# Allegro board 6089-103-RevA_73.brd (continued)
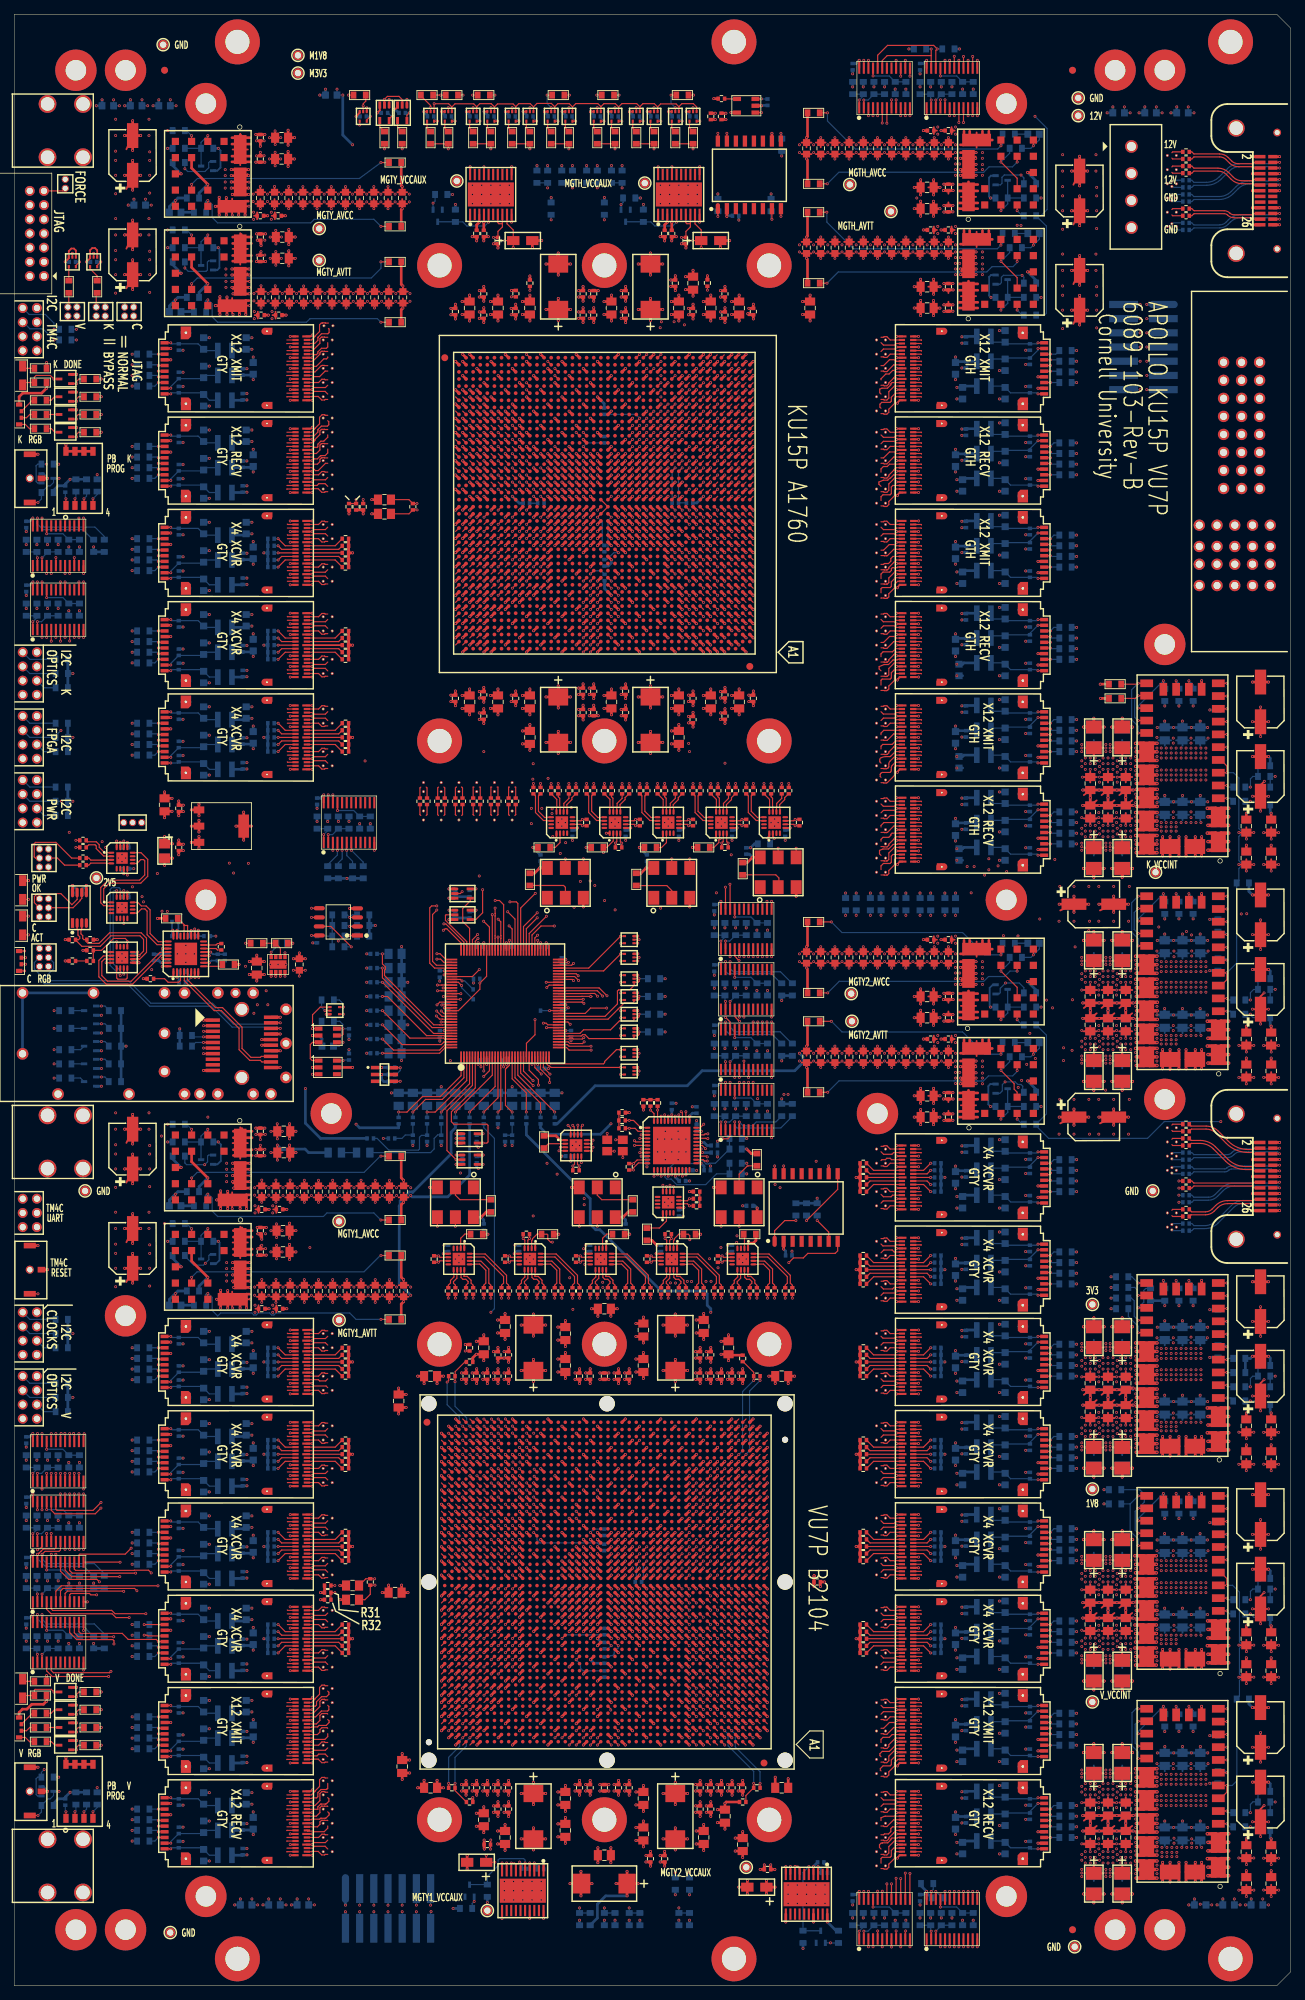
[diagram p0: board, top side]
## Routing (per net, layer and track width the routed paths; a pad name or vN(x,y) marks a point on that pad's centre or on a via; arc(x,y) is an arc through that point) (continued)
NKV_SPARE1: length 134
  TOP w0.165: v1(68.24,76.86) 68.25,76.86 U66.BC38 ; U65.A23 v1(81.23,187.93)
  SIG3 w0.083: v1(68.24,76.86) 68.24,76.68 68.05,76.49 62.18,76.49 arc(62.13,76.5) 62.09,76.53 61.99,76.63 arc(61.85,76.84) 61.8,77.08 61.8,79.69 arc(61.87,80) 62.04,80.27 63.34,81.57 arc(64.02,82.58) 64.26,83.77 64.26,84.88 arc(64.22,85.08) 64.11,85.25 64.04,85.31 arc(64.02,85.34) 64.02,85.38 64.02,86.32 arc(64.04,86.45) 64.11,86.56 64.14,86.59 arc(64.24,86.74) 64.28,86.93 64.28,120.05 arc(64.23,120.3) 64.09,120.51 64.04,120.57 arc(63.88,120.8) 63.83,121.07 63.83,171.25 64.84,172.27 64.84,182.41 69.7,187.26 80.45,187.26 80.83,187.64 80.83,187.84 80.91,187.93 v1(81.23,187.93)
NKV_SPARE2: length 151.3
  TOP w0.165: U66.AY36 v1(70.31,73.8) ; U65.B24 v1(80.23,188.93)
  SIG3 w0.083: v1(80.23,188.93) 80.23,189.22 80.14,189.3 80.03,189.3 80.03,189.3 63.11,189.3 62.88,189.07 62.88,185.29 61.03,183.44 61.03,178.84 62.58,177.29 62.58,173.37 59.34,170.13 59.34,162.73 58.9,162.28 58.9,124.11 arc(58.9,124.03) 58.93,123.96 arc(59.02,123.77) 59.13,123.59 arc(59.45,122.97) 59.56,122.29 59.56,110.46 arc(59.32,109.25) 58.63,108.23 57.44,107.03 arc(56.96,106.32) 56.79,105.48 56.79,86.49 arc(56.76,86.31) 56.66,86.17 56.58,86.08 arc(56.55,86.04) 56.54,85.99 56.54,85.79 arc(56.54,85.76) 56.56,85.73 56.68,85.62 arc(56.78,85.47) 56.81,85.29 56.81,77.21 arc(56.91,76.75) 57.17,76.36 59.76,73.77 arc(60.12,73.52) 60.56,73.44 70,73.44 70,73.44 70.48,73.44 70.48,73.44 70.61,73.44 70.67,73.5 arc(70.69,73.52) 70.69,73.56 70.69,73.73 70.62,73.8 v1(70.31,73.8)
NKV_SPARE3: length 133.1
  TOP w0.165: U66.BD39 v1(67.25,77.85) ; U65.C21 v1(84.17,189.93)
  SIG3 w0.083: v1(67.25,77.85) 67.25,77.7 67.02,77.46 64.26,77.46 arc(64.14,77.49) 64.04,77.56 arc(63.89,77.79) 63.83,78.07 63.83,79.85 arc(63.91,80.23) 64.12,80.56 65.18,81.62 arc(65.61,82.25) 65.76,83 65.76,84.97 arc(65.75,85.01) 65.74,85.05 arc(65.72,85.1) 65.69,85.16 65.59,85.5 65.59,86.36 65.66,86.61 65.67,86.62 arc(65.73,86.71) 65.76,86.82 65.76,107.06 arc(65.75,107.14) 65.73,107.22 65.46,107.95 arc(65.35,108.21) 65.2,108.45 arc(64.97,108.95) 64.88,109.5 64.88,140.54 arc(64.86,140.66) 64.79,140.76 64.4,141.15 64.4,170.56 66.76,172.91 66.76,182.14 70.87,186.26 81.38,186.26 83.3,188.19 83.3,189.84 83.39,189.93 v1(84.17,189.93)
NKV_SPARE4: length 163
  TOP w0.165: U65.D23 v1(81.23,190.93) ; U66.AW33 v1(73.31,72.79)
  SIG3 w0.083: v1(73.31,72.79) 73.31,72.56 73.41,72.46 73.68,72.46 arc(73.86,72.42) 74.01,72.32 74.11,72.22 74.11,71.72 arc(74.08,71.53) 73.97,71.37 73.86,71.26 60.6,71.26 arc(59.75,71.42) 59.04,71.9 55.11,75.83 arc(54.72,76.41) 54.58,77.1 54.58,84.04 arc(54.53,84.58) 54.38,85.11 arc(54.33,85.23) 54.29,85.36 arc(54.28,85.43) 54.27,85.5 54.27,106.09 arc(54.54,107.44) 55.31,108.59 arc(55.31,108.59) 55.32,108.6 55.91,109.19 arc(56.4,109.92) 56.57,110.78 56.57,187.19 60.9,191.52 80.52,191.52 80.83,191.21 80.83,191.01 80.91,190.93 v1(81.23,190.93)
NKV_SPARE5: length 159.1
  TOP w0.165: U66.AW36 v1(70.24,72.86) ; U65.E21 v1(84.17,191.93)
  SIG3 w0.083: v1(84.17,191.93) 83.39,191.93 83.3,191.84 83.3,191.64 82.96,191.3 81.94,191.3 81.81,191.17 81.81,190.5 81.6,190.3 61.33,190.3 57.85,186.81 57.85,174.52 58.71,173.66 58.71,163.38 57.65,162.32 57.65,110.17 arc(57.39,108.9) 56.67,107.82 56.48,107.63 arc(55.74,106.52) 55.48,105.22 55.48,97.07 arc(55.52,96.9) 55.62,96.75 55.75,96.61 arc(55.89,96.4) 55.94,96.15 55.94,77.2 arc(56.06,76.6) 56.4,76.09 59.71,72.78 arc(60.07,72.53) 60.5,72.45 70.4,72.45 arc(70.5,72.47) 70.58,72.52 70.62,72.56 arc(70.64,72.59) 70.65,72.62 70.65,72.84 70.57,72.92 70.29,72.92 v1(70.24,72.86)
NKV_SPARE6: length 144.4
  TOP w0.165: v1(70.23,78.87) 70.23,78.86 U66.BE36 ; U65.J22 v1(82.23,195.93)
  SIG3 w0.083: v1(82.23,195.93) 82.23,196.22 82.37,196.36 82.96,196.36 83.33,196.73 83.33,197.74 83.93,198.35 86.66,198.35 88.59,196.41 88.59,177.65 83.81,172.87 72.87,172.87 71.82,171.82 71.82,123.55 71.62,123.35 71.62,107.97 arc(71.8,107.08) 72.3,106.33 73.77,104.86 73.83,104.8 arc(74.04,104.49) 74.11,104.12 74.11,84.22 arc(74.05,83.94) 73.89,83.7 71.17,80.98 arc(70.78,80.4) 70.65,79.71 70.65,78.64 arc(70.64,78.61) 70.62,78.58 70.59,78.55 arc(70.56,78.53) 70.53,78.53 70.39,78.53 70.31,78.61 70.31,78.8 v1(70.23,78.87)
NKV_SPARE7: length 134
  TOP w0.165: U65.F20 v1(85.17,192.93) ; U66.BE40 66.29,78.79 66.29,78.81 v1(66.24,78.85)
  SIG3 w0.083: v1(66.24,78.85) 65.84,78.45 64.96,78.45 arc(64.9,78.48) 64.87,78.54 64.87,79.96 arc(64.88,80) 64.88,80.04 arc(64.99,80.33) 65.17,80.57 67.02,82.41 arc(67.07,82.48) 67.11,82.56 67.18,82.78 arc(67.2,82.84) 67.21,82.9 arc(67.22,82.98) 67.22,83.06 67.22,84.61 67.26,84.64 67.26,85.27 67.22,85.31 67.22,86.49 67.26,86.53 67.26,87.36 arc(67.21,87.6) 67.08,87.8 66.93,87.94 arc(66.82,88.11) 66.78,88.31 66.78,97.92 arc(66.74,98.15) 66.61,98.34 66.53,98.42 arc(66.41,98.59) 66.37,98.8 66.37,113.28 arc(66.45,113.66) 66.66,113.97 66.93,114.24 arc(67.1,114.49) 67.16,114.79 67.16,130.02 67.12,130.1 66.95,130.27 66.88,130.39 66.84,130.59 66.83,130.7 66.83,171.01 66.89,171.16 67.85,172.12 67.85,181.45 71.43,185.03 84.11,185.03 84.78,185.7 84.78,192.84 84.86,192.93 v1(85.17,192.93)
NKV_SPARE8: length 164
  TOP w0.165: U66.AT34 v1(72.25,69.86) ; U65.E23 v1(81.23,191.93)
  SIG3 w0.083: v1(72.25,69.86) 72.55,69.86 72.64,69.78 72.64,69.58 arc(72.63,69.55) 72.61,69.52 72.61,69.52 arc(72.52,69.46) 72.41,69.43 62.09,69.43 arc(62.05,69.44) 62.01,69.47 61.95,69.54 arc(61.92,69.59) 61.9,69.64 61.89,69.74 arc(61.81,70.03) 61.64,70.28 61.56,70.36 arc(61.41,70.46) 61.24,70.49 60.2,70.49 arc(59.56,70.62) 59.03,70.97 53.98,76.02 arc(53.61,76.57) 53.48,77.22 53.48,107.52 arc(53.6,108.1) 53.93,108.59 54.05,108.72 arc(54.4,109.24) 54.52,109.86 54.52,119.53 53.85,120.2 53.85,122.93 53.83,122.96 53.83,123.26 53.85,123.29 53.85,185.34 60.82,192.3 80.74,192.3 80.74,192.29 80.86,192.29 v1(81.23,191.93)
NKV_SPARE9: length 137.3
  TOP w0.165: v1(66.23,79.86) 66.29,79.86 66.29,79.8 U66.BF40 ; U65.H20 v1(85.17,194.93)
  SIG3 w0.083: v1(85.17,194.93) 84.86,194.93 84.78,194.84 84.78,194.73 84.95,194.55 85.5,194.55 85.8,194.25 85.8,185.45 84.36,184 71.4,184 68.99,181.59 68.99,130.31 arc(68.96,130.14) 68.86,130 68.73,129.87 arc(68.64,129.74) 68.61,129.58 68.61,129.12 arc(68.63,129.01) 68.69,128.92 68.69,128.91 arc(68.81,128.74) 68.85,128.53 68.85,100.18 68.85,100.17 arc(68.68,99.52) 68.29,98.96 68.2,98.87 arc(67.9,98.43) 67.8,97.9 67.8,93.6 arc(67.83,93.45) 67.91,93.33 69.93,91.31 arc(70.23,90.86) 70.34,90.32 70.34,84.44 arc(70.26,84.03) 70.03,83.69 68.01,81.66 arc(67.73,81.48) 67.4,81.42 67.25,81.42 arc(67.19,81.4) 67.13,81.36 65.91,80.14 arc(65.88,80.1) 65.87,80.06 65.87,79.86 arc(65.91,79.68) 66.01,79.54 66.06,79.49 arc(66.09,79.46) 66.14,79.45 66.47,79.45 arc(66.51,79.46) 66.55,79.49 66.62,79.56 arc(66.64,79.59) 66.65,79.63 66.65,79.77 66.57,79.86 v1(66.23,79.86)
NKV_SPARE10: length 148.4
  TOP w0.165: v1(72.25,77.87) 72.24,77.87 U66.BD34 ; U65.L23 v1(81.23,197.93)
  SIG3 w0.083: v1(81.23,197.93) 80.91,197.93 80.83,197.84 80.83,197.73 80.98,197.58 82.37,197.58 82.57,197.78 82.57,198.32 83.78,199.53 87.37,199.53 89.79,197.11 89.79,183.74 89.35,183.29 89.35,183.01 89.35,183 89.35,177.15 83.04,170.83 73.24,170.83 72.54,170.13 72.54,123.59 72.78,123.35 72.78,108.15 arc(72.97,107.19) 73.51,106.39 75.08,104.82 arc(75.45,104.26) 75.58,103.59 75.58,84.95 arc(75.39,83.97) 74.84,83.14 72.23,80.54 arc(71.99,80.22) 71.85,79.84 arc(71.84,79.8) 71.84,79.76 71.84,77.72 arc(71.86,77.66) 71.92,77.64 72.08,77.64 72.25,77.81 v1(72.25,77.87)
NKV_SPARE11: length 135.2
  TOP w0.165: U66.BF38 v1(68.23,79.87) ; U65.J20 v1(85.17,195.93)
  SIG3 w0.083: v1(85.17,195.93) 85.17,196.24 85.26,196.32 85.68,196.32 86.56,195.44 86.56,184.98 84.95,183.37 83.56,183.37 82.35,182.15 82.35,179.74 82.11,179.51 82.1,179.51 81.78,179.18 81.78,179.17 80.62,178.02 73.82,178.02 69.2,173.4 69.2,163.26 70.57,161.89 70.57,107.18 arc(70.43,106.48) 70.03,105.88 69.84,105.69 arc(69.39,105.01) 69.23,104.21 69.23,98.73 arc(69.35,98.1) 69.71,97.56 71.29,95.98 arc(71.68,95.4) 71.82,94.71 71.82,86.56 71.81,86.54 71.81,84.83 arc(71.67,84.15) 71.29,83.57 69.29,81.57 arc(68.8,80.85) 68.64,80 68.64,79.67 arc(68.63,79.63) 68.6,79.58 68.48,79.47 arc(68.45,79.45) 68.41,79.44 68.28,79.44 68.22,79.5 68.22,79.86 v1(68.23,79.87)
NKV_SPARE12: length 137.8
  TOP w0.165: U66.BF37 v1(69.25,79.87) ; U65.K21 v1(84.17,196.93)
  SIG3 w0.083: v1(69.25,79.87) 69.25,79.55 69.33,79.47 69.57,79.47 arc(69.6,79.47) 69.62,79.49 69.66,79.52 arc(69.68,79.55) 69.68,79.58 69.68,80.12 arc(69.78,80.6) 70.05,81.01 72.08,83.04 arc(72.49,83.66) 72.64,84.38 72.64,97.13 arc(72.57,97.49) 72.36,97.81 71.76,98.4 arc(71.32,99.06) 71.17,99.84 71.17,173.37 74.23,176.43 76.53,176.43 76.56,176.4 79.94,176.4 81.32,177.78 86.33,177.78 87.07,178.52 87.07,184.06 87.58,184.57 87.58,196.32 86.58,197.32 84.26,197.32 84.17,197.24 v1(84.17,196.93)
NSYNTH_CLK0: length 12.9
  TOP w0.165: U83.4 91.95,104.54 91.99,104.58 91.99,105.05 v1(91.75,105.29) R132.2 ; U81.19 v1(93.7,114.27)
  SIG1 w0.083: v1(91.75,105.29) 92.01,105.29 92.1,105.37 92.1,108.61 93.83,110.34 93.83,114.14 v1(93.7,114.27)
NSYNTH_CLK1: length 42.1
  TOP w0.165: U81.24 97.14,116.4 97.32,116.22 v1(97.7,116.22) ; U56.4 71.95,104.54 71.99,104.58 71.99,105.05 v1(71.75,105.29) R100.2
  SIG1 w0.083: v1(97.7,116.22) 97.7,116.28 98.02,116.59 98.02,116.59 98.05,116.61 98.37,116.61 98.6,116.38 98.6,115.3 97.89,114.59 97.89,109.84 92.05,104 87.77,104 85.31,106.47 72.71,106.47 72.1,105.85 72.1,105.37 72.01,105.29 v1(71.75,105.29)
NSYNTH_CLK2: length 46.7
  TOP w0.165: U87.4 100.45,161.21 v1(100.65,161.01) R143.2 ; v1(97.78,119.37) 97.55,119.37 97.51,119.42 96.14,119.42 U81.30
  SIG1 w0.083: v1(100.65,161.01) 100.39,161.01 100.3,160.93 100.3,159.29 98.18,157.17 98.18,119.81 97.78,119.41 v1(97.78,119.37)
NSYNTH_CLK3: length 45.5
  TOP w0.165: v1(94.69,123.16) 94.69,121.83 U81.35 ; R117.2 v1(85.65,161.01) 85.45,161.21 U68.4
  SIG1 w0.083: v1(85.65,161.01) 85.39,161.01 85.3,160.93 85.3,154.44 94.47,145.27 94.47,123.39 v1(94.69,123.16)
NTTCIN: length 20
  TOP w0.165: U14.4 23.95,142.16 23.99,142.12 23.99,141.61 28.2,137.4 29.2,137.4 31.7,134.9 31.7,131.9 33.2,130.4 34.7,130.4 34.93,130.17 U13.12
NTTCIN_CLK: length 9.3
  TOP w0.165: U11.12 17.42,152.65 17.92,152.15 18.6,152.15 19.16,151.59 19.16,148.26 20.31,147.11 20.92,147.11 20.96,147.15 U14.25
NTTCIN_CLK1: length 14.5
  TOP w0.165: U11.16 v1(14.45,154.3) ; U12.7 v1(15.45,142.54)
  BOTTOM w0.165: v1(14.45,154.3) 14.11,154.3 13.95,154.13 13.95,144.04 v1(15.45,142.54)
NTTCIN_CLK2: length 14.8
  TOP w0.165: U10.9 16.72,158.13 17.3,158.13 17.85,158.68 18.24,158.68 18.41,158.52 18.41,156.51 17.68,155.78 13.23,155.78 12.2,154.76 12.2,152.6 12.61,152.19 13.02,152.19 13.06,152.15 U11.2
NTTCIN_DAT: length 14.9
  TOP w0.165: U14.28 20.96,145.65 20.92,145.61 20.56,145.61 16.5,141.54 13.15,141.54 12.35,142.34 12.35,144.31 12.74,144.69 13.02,144.69 13.06,144.65 U12.3
NTTS_OUT: length 41.1
  TOP w0.165: U13.19 v1(37.51,135.68)
  BOTTOM w0.165: J11.5 5.55,144.18 5.55,143.3 4.4,142.15 4.4,141.63 4.41,141.62 16.09,141.62 19.27,138.44 27.95,138.44 30.9,135.5 37.03,135.5 37.21,135.68 v1(37.51,135.68)
NV_CDR_DATA: length 134.2
  TOP w0.165: U66.AP34 v1(72.25,67.86)
  SIG3 w0.083: v1(72.25,67.86) 72.25,67.66 arc(72.25,67.59) 72.23,67.52 arc(72.18,67.47) 72.11,67.46 arc(72.08,67.46) 72.04,67.46 69.03,67.46 arc(68.9,67.44) 68.78,67.36 68.73,67.31 arc(68.66,67.2) 68.63,67.07 68.63,66.87 arc(68.62,66.78) 68.56,66.71 68.47,66.62 arc(68.36,66.54) 68.23,66.52 47.19,66.52 arc(46.27,66.7) 45.49,67.22 44.03,68.68 arc(43.14,69.28) 42.08,69.49 37.63,69.49 arc(37.44,69.52) 37.28,69.63 34.24,72.67 arc(33.92,72.88) 33.55,72.96 33.43,72.96 arc(32.99,73.04) 32.61,73.3 28.98,76.92 arc(28.37,77.83) 28.16,78.91 28.16,116.94 12.79,132.31 12.49,132.31 2.85,141.95 2.85,148.23 4.3,149.68 4.3,150.1 J10.6
NV_FF1_RECV0: length 65.9
  TOP w0.165: 127.84,117.9 U110.B18 126.69,117.9 ; U66.AP1 106.17,67.86
  SIG3 w0.083: 127.84,117.9 127.68,117.75 126.42,117.75 arc(125.89,117.64) 125.45,117.35 122.16,114.06 arc(121.5,113.61) 120.72,113.46 119.61,113.46 arc(117.95,113.13) 116.54,112.19 114.14,109.79 arc(113.8,109.27) 113.67,108.66 113.67,102.52 arc(113.64,102.45) 113.57,102.42 arc(113.5,102.39) 113.47,102.31 113.47,102.19 arc(113.5,102.12) 113.57,102.09 arc(113.64,102.06) 113.67,101.98 113.67,101.86 arc(113.64,101.79) 113.57,101.76 arc(113.5,101.73) 113.47,101.65 113.47,101.53 arc(113.5,101.46) 113.57,101.43 arc(113.64,101.4) 113.67,101.32 113.67,75.35 arc(113.45,74.23) 112.82,73.29 107.41,67.87 arc(106.94,67.56) 106.38,67.45 106.05,67.45 arc(105.94,67.48) 105.87,67.56 105.8,67.74 arc(105.81,67.82) 105.88,67.86 106.17,67.86
NV_FF1_RECV1: length 65.4
  TOP w0.165: U110.A18 123.49,117.9 123.03,118.36 122.64,118.36 122.56,118.28 122.2,118.28 ; U66.AR3 104.16,68.87
  SIG3 w0.083: 122.2,118.28 121.51,118.28 arc(121.36,118.25) 121.24,118.17 121.23,118.16 arc(121.12,118.09) 120.98,118.06 119.75,118.06 arc(118.99,117.91) 118.35,117.48 112.89,112.02 arc(112.55,111.5) 112.42,110.89 112.42,100.39 arc(112.4,100.33) 112.34,100.3 arc(112.28,100.28) 112.25,100.22 112.25,100.06 arc(112.28,100) 112.34,99.97 arc(112.4,99.95) 112.42,99.89 112.42,99.73 arc(112.4,99.67) 112.34,99.64 arc(112.28,99.62) 112.25,99.56 112.25,99.4 arc(112.28,99.34) 112.34,99.31 arc(112.4,99.29) 112.42,99.23 112.42,75 arc(112.28,74.28) 111.87,73.67 107.13,68.92 arc(106.66,68.61) 106.1,68.5 103.98,68.5 arc(103.95,68.51) 103.92,68.52 103.82,68.62 arc(103.78,68.68) 103.77,68.74 103.77,68.79 103.85,68.87 104.16,68.87
NV_FF1_RECV2: length 61.4
  TOP w0.165: 127.84,116.4 U110.B15 126.69,116.4 ; U66.AT1 106.17,69.86
  SIG1 w0.083: 127.84,116.4 127.68,116.23 127.11,116.22 124.41,116.22 arc(123.96,116.13) 123.58,115.88 121.18,113.48 arc(120.82,112.94) 120.69,112.31 120.69,109.41 arc(120.68,109.37) 120.64,109.35 arc(120.6,109.33) 120.58,109.3 120.58,109.08 arc(120.6,109.04) 120.64,109.02 arc(120.68,109) 120.69,108.97 120.69,108.75 arc(120.68,108.71) 120.64,108.69 arc(120.6,108.67) 120.58,108.64 120.58,108.42 arc(120.6,108.38) 120.64,108.36 arc(120.68,108.34) 120.69,108.31 120.69,108.09 arc(120.68,108.05) 120.64,108.03 arc(120.6,108.01) 120.58,107.98 120.58,107.76 arc(120.6,107.72) 120.64,107.7 arc(120.68,107.68) 120.69,107.65 120.69,105.78 arc(120.61,105.37) 120.38,105.03 113.48,98.13 arc(113.14,97.61) 113.02,97.01 113.02,76.44 arc(112.86,75.65) 112.41,74.98 107.15,69.71 arc(106.89,69.54) 106.59,69.48 105.93,69.48 arc(105.84,69.51) 105.78,69.59 arc(105.77,69.66) 105.77,69.72 arc(105.78,69.77) 105.77,69.82 arc(105.79,69.82) 105.82,69.82 arc(105.85,69.85) 105.89,69.86 106.17,69.86
NV_FF1_RECV3: length 60.3
  TOP w0.165: U66.AU3 104.16,70.85 ; U110.A15 123.68,116.4 123.48,116.6 123.02,116.6 122.82,116.4 122.32,116.4 122.2,116.28
  SIG1 w0.083: 122.2,116.28 122.19,116.27 121.56,116.27 arc(121.42,116.24) 121.31,116.17 121.2,116.06 arc(121.15,116.03) 121.09,116.03 arc(120.73,116.03) 120.42,115.85 120.06,115.49 arc(119.86,115.19) 119.78,114.83 119.78,106.14 arc(119.69,105.67) 119.43,105.27 112.26,98.11 arc(111.96,97.66) 111.85,97.12 111.85,86.21 111.77,86.12 111.63,86.12 111.55,86.04 111.55,85.88 111.63,85.79 111.77,85.79 111.85,85.71 111.85,76.48 arc(111.77,76.07) 111.54,75.72 106.4,70.58 arc(106.25,70.48) 106.09,70.45 103.99,70.45 arc(103.95,70.46) 103.92,70.48 103.8,70.59 arc(103.78,70.63) 103.77,70.67 103.77,70.73 arc(103.77,70.73) 103.77,70.74 arc(103.78,70.76) 103.8,70.78 103.83,70.82 arc(103.87,70.84) 103.91,70.85 104.16,70.85
NV_FF1_XMIT0: length 59.2
  TOP w0.165: U110.A2 123.49,109.9 123.03,109.44 122.64,109.44 122.56,109.52 122.2,109.52 ; U66.AP6 101.17,67.86
  SIG4 w0.083: 122.2,109.52 121.35,109.52 121.1,109.77 121.1,109.92 121.04,109.98 arc(121.01,109.99) 120.98,110 120.88,110 arc(120.81,109.99) 120.75,109.95 116.13,105.32 arc(115.97,105.09) 115.91,104.8 115.91,85.51 arc(115.78,84.88) 115.43,84.35 114.74,83.66 arc(114.4,83.16) 114.28,82.56 114.28,76.88 arc(114.12,76.08) 113.67,75.4 106.9,68.63 arc(106.53,68.39) 106.11,68.3 101.05,68.3 arc(101.02,68.29) 101,68.28 100.8,68.08 arc(100.78,68.05) 100.77,68.02 100.77,67.94 100.86,67.86 101.17,67.86
NV_FF1_XMIT1: length 61
  TOP w0.165: U66.AR8 99.16,68.87 ; 127.9,109.87 127.9,109.9 U110.B2
  SIG2 w0.083: 99.16,68.87 99.14,68.85 98.83,68.85 arc(98.83,68.85) 98.83,68.85 arc(98.84,68.89) 98.84,68.93 98.84,69.13 arc(98.89,69.26) 99.01,69.31 106.2,69.31 arc(106.62,69.39) 106.97,69.63 115.27,77.93 arc(115.8,78.71) 115.98,79.64 115.98,95.4 arc(116.12,96.11) 116.52,96.71 119.83,100.01 arc(120.17,100.52) 120.28,101.12 120.28,101.46 arc(120.3,101.51) 120.35,101.53 arc(120.4,101.55) 120.42,101.6 120.42,101.79 arc(120.4,101.84) 120.35,101.86 arc(120.3,101.88) 120.28,101.93 120.28,102.12 arc(120.3,102.17) 120.35,102.19 arc(120.4,102.21) 120.42,102.26 120.42,102.45 arc(120.4,102.5) 120.35,102.52 arc(120.3,102.54) 120.28,102.59 120.28,102.78 arc(120.3,102.83) 120.35,102.85 arc(120.4,102.87) 120.42,102.92 120.42,103.11 arc(120.4,103.16) 120.35,103.18 arc(120.3,103.2) 120.28,103.25 120.28,103.52 arc(120.4,104.12) 120.74,104.62 125.58,109.46 arc(126.16,109.85) 126.84,109.99 127.77,109.99 127.89,109.87 127.9,109.87
NV_FF1_XMIT2: length 59.2
  TOP w0.165: U110.A5 123.83,111.4 123.61,111.18 122.54,111.18 122.2,111.52 ; U66.AT6 101.17,69.86
  SIG4 w0.083: 122.2,111.52 121.47,111.52 arc(121.36,111.54) 121.26,111.6 121.07,111.79 arc(121.05,111.81) 121.02,111.82 120.96,111.82 arc(120.89,111.8) 120.84,111.76 115.16,106.09 arc(114.96,105.78) 114.88,105.43 114.88,102.96 arc(114.9,102.92) 114.93,102.91 arc(114.97,102.89) 114.98,102.86 114.98,102.63 arc(114.97,102.59) 114.93,102.58 arc(114.9,102.56) 114.88,102.53 114.88,102.3 arc(114.9,102.26) 114.93,102.25 arc(114.97,102.23) 114.98,102.2 114.98,101.97 arc(114.97,101.93) 114.93,101.92 arc(114.9,101.9) 114.88,101.87 114.88,101.64 arc(114.9,101.6) 114.93,101.59 arc(114.97,101.57) 114.98,101.54 114.98,101.31 arc(114.97,101.27) 114.93,101.26 arc(114.9,101.24) 114.88,101.21 114.88,85.7 arc(114.77,85.11) 114.43,84.61 113.81,83.99 arc(113.5,83.53) 113.39,82.98 113.39,77.97 arc(113.21,77.05) 112.69,76.27 106.97,70.55 arc(106.59,70.3) 106.15,70.21 100.96,70.21 arc(100.92,70.2) 100.9,70.18 100.83,70.11 arc(100.79,70.06) 100.77,69.99 100.77,69.94 100.86,69.86 101.17,69.86
NV_FF1_XMIT3: length 62.4
  TOP w0.165: U66.AU8 99.16,70.85 ; 127.85,111.37 127.85,111.4 U110.B5 126.69,111.4
  SIG2 w0.083: 99.16,70.85 98.88,70.85 arc(98.81,70.89) 98.8,70.98 arc(98.83,71.05) 98.86,71.12 arc(98.88,71.16) 98.9,71.19 98.94,71.22 arc(98.97,71.24) 99.01,71.25 106.03,71.25 arc(106.39,71.32) 106.7,71.53 114.55,79.38 arc(114.87,79.86) 114.99,80.44 114.99,97.38 arc(115.06,97.72) 115.25,98.01 118.72,101.48 arc(119.12,102.08) 119.26,102.78 119.26,105.59 arc(119.28,105.64) 119.33,105.66 arc(119.38,105.68) 119.4,105.73 119.4,105.92 arc(119.38,105.97) 119.33,105.99 arc(119.28,106.01) 119.26,106.06 119.26,106.25 arc(119.28,106.3) 119.33,106.32 arc(119.38,106.34) 119.4,106.39 119.4,106.58 arc(119.38,106.63) 119.33,106.65 arc(119.28,106.67) 119.26,106.72 119.26,107.97 arc(119.31,108.25) 119.47,108.49 121.47,110.49 arc(121.93,110.79) 122.47,110.9 123.58,110.9 arc(123.88,110.96) 124.13,111.13 124.39,111.39 arc(124.56,111.5) 124.76,111.54 127.68,111.54 127.85,111.37
NV_FF2_RECV0: length 54.9
  TOP w0.165: U66.AK1 106.17,63.87 ; 126.69,104.9 U111.B18 127.84,104.9
  SIG1 w0.083: 127.84,104.9 127.7,104.76 126.59,104.76 arc(125.93,104.63) 125.38,104.26 115.85,94.73 arc(115.5,94.21) 115.38,93.59 115.38,89.82 arc(115.35,89.75) 115.27,89.72 arc(115.2,89.68) 115.17,89.61 115.17,89.49 arc(115.2,89.42) 115.27,89.39 arc(115.35,89.35) 115.38,89.28 115.38,89.16 arc(115.35,89.09) 115.27,89.06 arc(115.2,89.02) 115.17,88.95 115.17,88.83 arc(115.2,88.76) 115.27,88.72 arc(115.35,88.69) 115.38,88.62 115.38,73.4 arc(115.11,72.05) 114.35,70.91 107.02,63.58 arc(106.89,63.49) 106.73,63.46 105.93,63.46 arc(105.9,63.47) 105.87,63.49 105.84,63.51 arc(105.82,63.55) 105.81,63.59 105.81,63.77 arc(105.84,63.85) 105.91,63.88 106.16,63.88 106.17,63.87
NV_FF2_RECV1: length 55.6
  TOP w0.165: 122.2,105.28 122.56,105.28 122.64,105.36 123.03,105.36 123.49,104.9 U111.A18 ; U66.AL3 104.16,64.86
  SIG3 w0.083: 104.16,64.86 103.85,64.86 103.77,64.78 103.77,64.55 arc(103.79,64.5) 103.82,64.46 arc(103.88,64.44) 103.94,64.44 104.23,64.44 arc(104.3,64.45) 104.37,64.5 arc(104.47,64.65) 104.51,64.84 104.51,65.98 arc(104.53,66.1) 104.59,66.19 104.71,66.31 arc(104.88,66.42) 105.07,66.46 107.08,66.46 arc(107.46,66.53) 107.78,66.75 114.24,73.21 arc(114.59,73.73) 114.72,74.35 114.72,90.96 arc(114.7,91) 114.66,91.01 arc(114.63,91.03) 114.61,91.06 114.61,91.29 arc(114.63,91.33) 114.66,91.34 arc(114.7,91.36) 114.72,91.39 114.72,91.62 arc(114.7,91.66) 114.66,91.67 arc(114.63,91.69) 114.61,91.72 114.61,91.95 arc(114.63,91.99) 114.66,92 arc(114.7,92.02) 114.72,92.05 114.72,98.56 arc(114.83,99.14) 115.16,99.63 120.3,104.77 arc(120.5,104.91) 120.73,104.95 121,104.95 arc(121.04,104.95) 121.07,104.95 arc(121.07,104.95) 121.07,104.95 121.3,105.18 arc(121.41,105.25) 121.55,105.28 122.2,105.28
NV_FF2_RECV2: length 53
  TOP w0.165: 127.84,103.4 U111.B15 126.69,103.4 ; 105.7,65.41 106.17,65.87
  SIG3 w0.083: 127.84,103.4 127.68,103.24 124.7,103.24 arc(124.27,103.15) 123.9,102.91 116.8,95.81 arc(116.1,94.75) 115.85,93.51 115.85,91.4 arc(115.82,91.33) 115.75,91.3 arc(115.67,91.26) 115.64,91.19 115.64,91.07 arc(115.67,91) 115.75,90.97 arc(115.82,90.93) 115.85,90.86 115.85,90.74 arc(115.82,90.67) 115.75,90.64 arc(115.67,90.6) 115.64,90.53 115.64,90.41 arc(115.67,90.34) 115.75,90.31 arc(115.82,90.27) 115.85,90.2 115.85,74.57 arc(115.62,73.42) 114.97,72.44 108.21,65.68 arc(107.97,65.52) 107.7,65.47 106.03,65.47 arc(105.99,65.47) 105.95,65.48 arc(105.89,65.5) 105.83,65.53 arc(105.78,65.58) 105.76,65.65 105.76,65.8 105.85,65.88 106.16,65.88 106.17,65.87
NV_FF2_RECV3: length 51.7
  TOP w0.165: U111.A15 124.06,103.4 123.78,103.67 122.59,103.67 122.2,103.28 ; U66.AN3 104.16,66.86
  SIG1 w0.083: 104.16,66.86 103.85,66.86 103.77,66.78 103.77,66.74 arc(103.79,66.65) 103.84,66.57 103.87,66.54 arc(103.9,66.52) 103.93,66.52 106.39,66.52 arc(106.51,66.54) 106.61,66.61 113.61,73.61 arc(114.03,74.24) 114.18,74.98 114.18,90.2 arc(114.16,90.24) 114.12,90.26 arc(114.08,90.28) 114.06,90.32 114.06,90.53 arc(114.08,90.57) 114.12,90.59 arc(114.16,90.61) 114.18,90.65 114.18,90.86 arc(114.16,90.9) 114.12,90.92 arc(114.08,90.94) 114.06,90.98 114.06,91.19 arc(114.08,91.23) 114.12,91.25 arc(114.16,91.27) 114.18,91.31 114.18,96.45 arc(114.33,97.21) 114.76,97.86 119.52,102.61 arc(119.96,102.91) 120.48,103.01 121.02,103.01 arc(121.04,103.01) 121.05,103.01 arc(121.05,103.01) 121.05,103.01 121.22,103.18 arc(121.33,103.26) 121.46,103.28 122.2,103.28
NV_FF2_XMIT0: length 50.4
  TOP w0.165: U111.A2 123.49,96.9 123.03,96.44 122.64,96.44 122.56,96.52 122.2,96.52 ; U66.AK6 101.17,63.87
  SIG4 w0.083: 122.2,96.52 121.41,96.52 arc(121.3,96.54) 121.2,96.6 121.03,96.78 arc(121,96.8) 120.96,96.81 120.52,96.81 arc(120.38,96.79) 120.26,96.71 118.39,94.84 arc(118.25,94.62) 118.19,94.36 118.19,92.58 arc(118.22,92.52) 118.28,92.5 arc(118.34,92.47) 118.36,92.41 118.36,92.25 arc(118.34,92.19) 118.28,92.17 arc(118.22,92.14) 118.19,92.08 118.19,91.92 arc(118.22,91.86) 118.28,91.84 arc(118.34,91.81) 118.36,91.75 118.36,91.59 arc(118.34,91.53) 118.28,91.51 arc(118.22,91.48) 118.19,91.42 118.19,85.58 arc(118.01,84.68) 117.5,83.91 116.48,82.88 arc(116.17,82.42) 116.06,81.88 116.06,75.4 arc(115.77,73.96) 114.96,72.74 106.76,64.54 arc(106.5,64.36) 106.18,64.3 101.16,64.3 arc(101.02,64.27) 100.9,64.2 100.8,64.09 arc(100.78,64.06) 100.77,64.03 100.77,63.98 arc(100.77,63.97) 100.77,63.95 arc(100.77,63.95) 100.77,63.95 100.86,63.87 101.17,63.87
NV_FF2_XMIT1: length 52.2
  TOP w0.165: U111.B2 127.9,96.9 127.9,96.87 ; U66.AL8 99.16,64.86
  SIG2 w0.083: 99.16,64.86 98.85,64.86 98.77,64.94 98.77,65.01 arc(98.78,65.05) 98.8,65.09 99.01,65.29 arc(99.03,65.31) 99.06,65.32 106.21,65.32 arc(106.59,65.39) 106.91,65.61 106.91,65.61 117.35,76.05 arc(118.06,77.11) 118.31,78.36 118.31,84.71 arc(118.33,84.76) 118.38,84.78 arc(118.43,84.8) 118.45,84.85 118.45,85.04 arc(118.43,85.09) 118.38,85.11 arc(118.33,85.13) 118.31,85.18 118.31,85.37 arc(118.33,85.42) 118.38,85.44 arc(118.43,85.46) 118.45,85.51 118.45,85.7 arc(118.43,85.75) 118.38,85.77 arc(118.33,85.79) 118.31,85.84 118.31,88.89 arc(118.4,89.37) 118.67,89.77 125.74,96.84 arc(125.96,96.99) 126.21,97.04 127.73,97.04 127.9,96.87
NV_FF2_XMIT2: length 50.2
  TOP w0.165: 122.2,98.52 122.54,98.18 123.83,98.18 124.05,98.4 U111.A5 ; 100.7,65.41 101.17,65.87
  SIG4 w0.083: 122.2,98.52 122.16,98.48 121.5,98.48 arc(121.38,98.5) 121.28,98.57 121.06,98.79 arc(121.04,98.81) 121,98.81 120.72,98.81 arc(120.69,98.81) 120.66,98.79 117.25,95.37 arc(117.05,95.07) 116.97,94.71 116.97,90.94 arc(117,90.89) 117.05,90.86 arc(117.11,90.84) 117.13,90.78 117.13,90.61 arc(117.11,90.56) 117.05,90.53 arc(117,90.51) 116.97,90.45 116.97,90.28 arc(117,90.23) 117.05,90.2 arc(117.11,90.18) 117.13,90.12 117.13,89.95 arc(117.11,89.9) 117.05,89.87 arc(117,89.85) 116.97,89.79 116.97,85.46 arc(116.82,84.7) 116.4,84.06 115.72,83.38 arc(115.31,82.78) 115.17,82.07 115.17,75.95 arc(115,75.06) 114.49,74.31 106.69,66.5 arc(106.47,66.36) 106.22,66.31 101.04,66.31 arc(101.01,66.3) 100.99,66.28 100.8,66.1 arc(100.78,66.07) 100.77,66.04 100.77,65.99 arc(100.77,65.97) 100.77,65.96 arc(100.77,65.96) 100.77,65.96 100.86,65.87 101.17,65.87